# KiCad board Soldered Inkplate 6 FLICK_panel.kicad_pcb (continued)
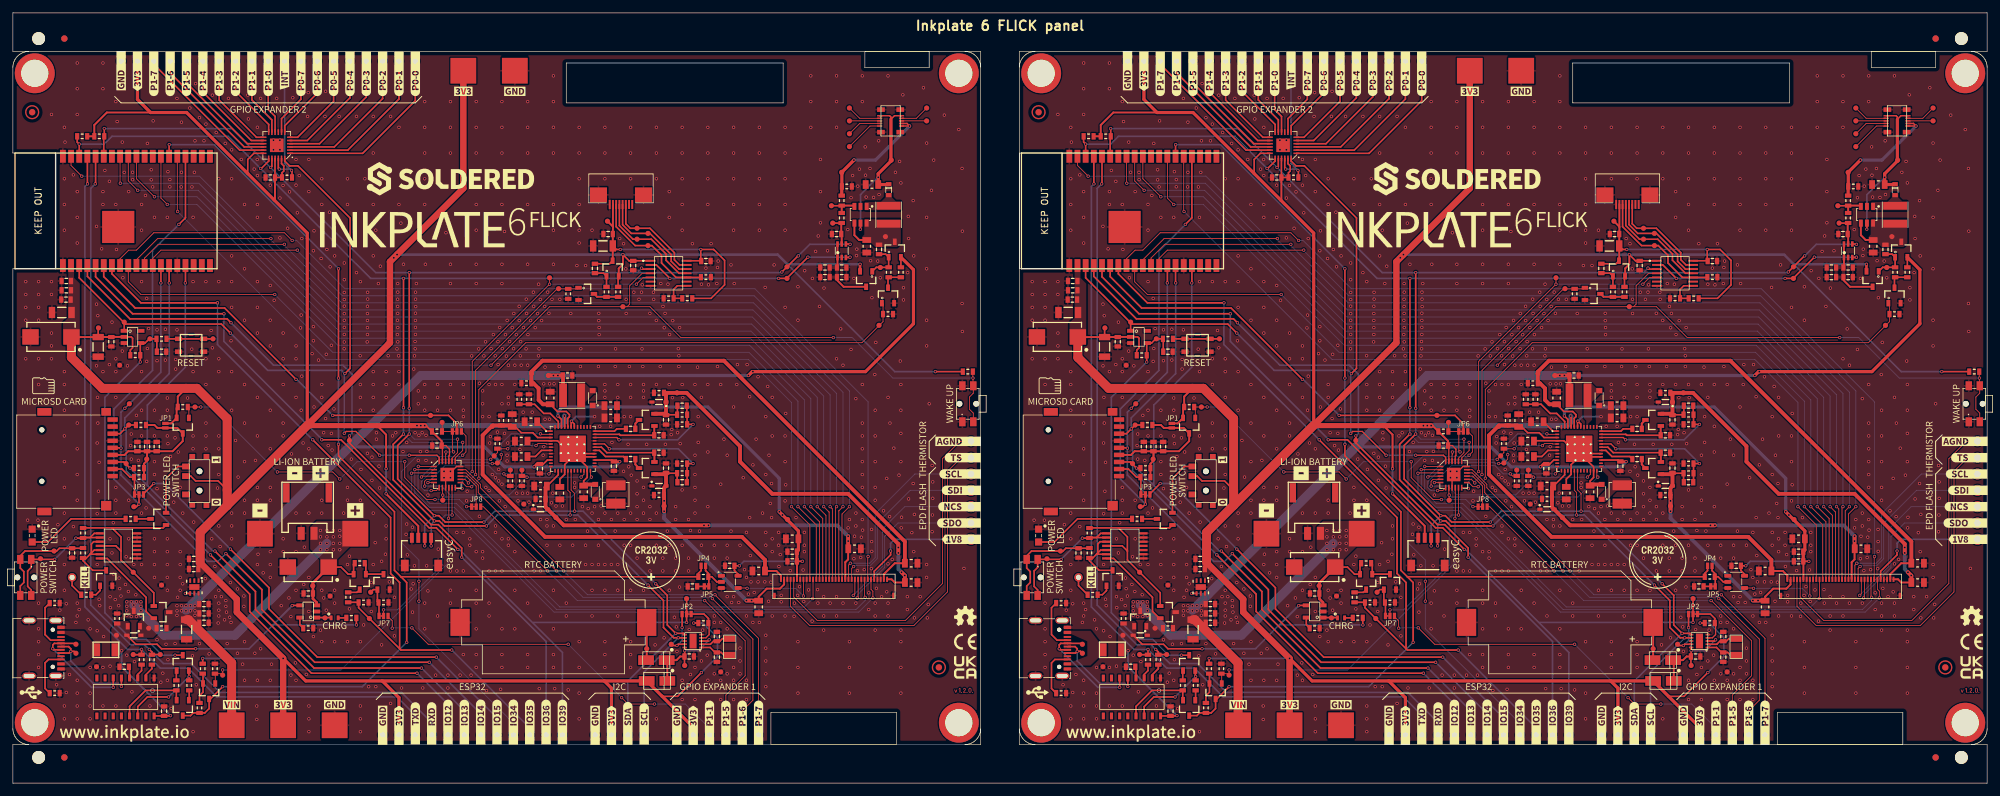
[diagram p0: board, top side]
## Routing (per net, layer and track width the routed paths; a pad name or vN(x,y) marks a point on that pad's centre or on a via; arc(x,y) is an arc through that point) (continued)
  Top w1: 45.75,55.65 58.6,68.5 58.6,81.1 v1(59.7,82.2) 70,92.5 PAD2.1 ; PAD3#2.1 v1(42,19.4) 34.8,26.6 34.8,28.6 29.1,34.3
  Top w1.4: 29.1,34.3 29.1,39 33.3,43.2 ; C70.1 9.1,66.21 13.9,61.4 28.6,61.4 33.3,56.7 33.3,43.2 ; 33.3,43.2 45.75,55.65
  Bottom w0.254: v1(42,19.4) v1(29.5,19.4) ; v1(143.35,64) 137.05,64 120.35,80.7 ; v1(107,17.2) 109.5,19.7 109.5,22.6 107.2,24.9 v1(105.8,24.9)
  Bottom w0.3: v1(58,45) v1(58,48.9)
  Bottom w0.4: v1(131.65,80.7) 120.35,80.7 118.85,82.2 v1(94.8,82.2) v1(59.7,82.2) v1(59.2,81.7)
  Bottom w0.8: v1(85.7,57.1) 85.7,56.1 85.2,55.6 v1(62.8,55.6)
  vias: v1(63.4,55.6)
Board_0-3V3-EINK: length 73.2
  Top w0.254: v1(84.71,57.11) 85.25,56.57 U1#2.46 ; U12#2.5 112.7,32.5 112.13,33.07 C64.2 v1(112.9,33.8) ; v1(122.7,34.5) C63.1
  Top w0.3: C63.1 121.85,34.48 K15.6
  Top w0.5: v1(119.1,42.2) 122.08,39.23 C55.2 122.08,36.25 C62.1 C63.1
  Bottom w0.254: 85.3,58.4 85.4,58.5 ; v1(112.9,33.8) 113.6,34.5 v1(122.7,34.5)
  Bottom w0.5: 85.4,58.5 108,58.5 119.1,47.4 v1(119.1,42.2) v1(119.6,41.7) ; 85.3,58.4 84.71,57.81 v1(84.71,57.11)
Board_0-3V3_MICROSD: length 23.5
  Top w0.3: C40#2.2 C38.2 24.82,51.62 26.4,53.2 Q10.3 25.55,55.25 JP1#2.1 22.45,55.25 22,55.7 R45#2.2 ; C40#2.2 C39.2 17.92,51.62 17.35,51.05 K9.4 ; C40#2.2 20.85,50.15 20.38,49.68 R43#2.2 R42#2.2
Board_0-3V3_RTC: length 14.9
  Top w0.254: v1(108.21,22.29) 108.02,22.1 U7.3 ; U7.10 104.4,19.73 C41#2.2 104.37,18.33 TP71#2.TP
  Top w0.3: D11#2.2 101.7,19.03 D12#2.2 103.13,19.13 103.7,19.7 C41#2.2
  Bottom w0.254: v1(104.4,20.6) 106.52,20.6 v1(108.21,22.29)
Board_0-3V3_TOUCH: length 45.2
  Top w0.127: 93.25,86.55 93.25,86.45
  Top w0.254: U8#2.14 106.92,81.25 C45#2.1 106.9,81.27 v1(106.9,83) 108.9,83 110.6,81.3 110.6,77.5 108.5,75.4 R49.2 ; 93.23,83.56 C44#2.1 93.78,83 v1(94.4,83) ; 93.25,85.42 C53#2.2 ; Q12.3 93.23,81.28 92.73,80.78 C43#2.2
  Top w0.3: C53#2.2 93.23,83.56 ; TP32#2.TP 93.25,86.55 ; C44#2.1 93.23,81.28 ; K12#2.7 93.25,85.42
  Bottom w0.254: v1(94.4,83) v1(106.9,83)
Board_0-/CTRL & COMS/CH_RXD: length 2.3
  Top w0.254: R22.1 20,17.5 19.41,16.91 U2#2.3
Board_0-/CTRL & COMS/CH_TXD: length 2.5
  Top w0.254: R23#2.1 21.6,17.8 20.68,16.88 U2#2.2
Board_0-/CTRL & COMS/DTR: length 11.3
  Top w0.254: Q5#2.2 25.4,12.95 R30#2.2 20.63,14.43 18.14,11.94 U2#2.13
Board_0-/CTRL & COMS/RTS: length 12.9
  Top w0.254: v1(24.2,13.4) 20.9,13.4 19.41,11.91 U2#2.14 ; R31#2.2 v1(27.4,16.6) 27.35,16.65 Q4.2
  Bottom w0.254: v1(24.2,13.4) v1(27.4,16.6)
Board_0-/MCU & GPIO Expanders/GPB_6: length 72.4
  Top w0.127: v1(84.5,33) 72.33,45.17 72.33,46.34 70.41,48.25 U13#2.16 ; v1(108.7,28.7) 115,22.4 115,12.9 113.34,11.24 K21.1
  Bottom w0.127: v1(84.5,33) 88.6,28.9 108.5,28.9 v1(108.7,28.7)
Board_0-/MCU & GPIO Expanders/GPB_7: length 72.5
  Top w0.127: v1(109.1,29.3) 115.88,22.52 K22#2.1 ; U13#2.17 70.37,48.75 72.65,46.47 72.65,45.95 v1(85.6,33)
  Bottom w0.127: v1(85.6,33) 89.3,29.3 v1(109.1,29.3)
Board_0-/POWER/INT_LDO: length 4
  Top w0.254: U1#2.7 82.15,51.75 81.2,50.8 C4.2
Board_0-/POWER/TS: length 8
  Top w0.254: R1#2.2 R2.2 81.08,58.93 82.5,57.5 83.5,57.5 84.75,56.25 U1#2.47
Board_0-/POWER/VB: length 5.9
  Top w0.254: U1#2.42 87.25,55.85 v1(86.8,56.3) 86.75,56.25 U1#2.43
  Bottom w0.3: v1(90.4,57) 87.5,57 v1(86.8,56.3)
Board_0-/POWER/VN: length 21.8
  Top w0.254: C3#2.2 80.03,53.25 U1#2.4 84.64,53.25 U1#2.49 ; U1#2.28 88.25,50.75 U1#2.49 ; U1#2.49 88.22,50.2 89.25,49.17 U1#2.23 89.25,47.55 88.7,47 C9.1 ; C7#2.2 85,47.28 85.75,48.03 U1#2.16 85.75,49.54 U1#2.49 ; U1#2.49 88.87,51.25 U1#2.29
  Top w0.6: D1#2.2 88.88,46.45 C9.1
Board_0-/POWER/VREF: length 2.7
  Top w0.254: C1#2.2 82.93,54.75 U1#2.1
Board_0-/SD_RTC_GPIO/X1: length 4.9
  Top w0.254: X1.1 110.48,19.93 110.07,20.33 C36.2 109.12,20.33 108.35,21.1 U7.1
Board_0-/SD_RTC_GPIO/X2: length 4.8
  Top w0.254: U7.2 108.4,21.6 108.87,22.07 C37.2 109.87,22.07 110.28,22.48 X1.2
Board_0-AGND: length 54.7
  Top w0.127: K13.1 147.16,53.16 144.45,50.45 144.45,31.05 138.7,25.3 125,25.3 121.35,28.95 K15.5
Board_0-BCK_ANODE: length 26.9
  Top w0.23: K11#2.9 137,103.8 136.45,103.25 136.45,103.6 136.25,103.8 K11#2.10
  Top w0.254: U10#2.5 131.73,86.18 v1(131.7,86.15)
  Top w0.4: 136.05,93.1 D13.2
  Top w0.5: 136.45,103.25 136.45,96.75 134.48,94.78 v1(134.48,94.23) C51#2.2 136.05,93.1
  Bottom w0.254: v1(134.48,94.23) 134.45,94.25 131.73,91.53 131.73,86.18 v1(131.7,86.15)
Board_0-BCK_CATHODE: length 19.8
  Top w0.23: K11#2.1 v1(139.35,102.2) 138.95,102.6 K11#2.3
  Top w0.5: v1(130.7,96.9) 128.83,95.03 R54#2.2 ; R55.1 128.8,92.78
  Bottom w0.5: v1(139.35,102.2) 134.05,96.9 v1(130.7,96.9)
Board_0-BCK_MOS: length 6.1
  Top w0.254: Q13.1 134.18,80.23 R53.2 Q15#2.1 135.63,82.27 C52#2.1
Board_0-CHRG-LED: length 2.3
  Top w0.254: D10.2 49.4,25.75 U6#2.1
Board_0-CLKOUT_RTC: length 7.5
  Top w0.254: TP74#2.TP 102.5,21.4 v1(103.2,21.4) 103.4,21.6 U7.9 ; v1(104,24.2) JP3.3
  Bottom w0.254: v1(103.2,21.4) 104,22.2 v1(104,24.2)
Board_0-D+: length 16.9
  Top w0.254: v1(9,20.5) 9,20.9 8.66,21.24 K1#2.A6 ; v1(9,20.5) 8.74,20.24 K1#2.B6 ; v1(9,20.5) 9.5,20.5 TP18.TP ; U2#2.5 v1(16.87,15.04)
  Bottom w0.254: v1(16.87,15.04) 16.4,15.5 12.5,15.5 9,19 v1(9,20.5)
Board_0-D-: length 19
  Top w0.254: K1#2.A7 6.36,20.74 v1(6.2,20.9) 6.2,21.5 6.44,21.74 K1#2.B7 9.66,21.74 TP17#2.TP ; U2#2.6 15.6,14.91 v1(15.6,14.9)
  Bottom w0.254: v1(6.2,20.9) 12.2,14.9 v1(15.6,14.9)
Board_0-DAC_OUT: length 4.5
  Top w0.127: 128.78,87.1 R56#2.2
  Top w0.254: TP42#2.TP 128.78,87.1
  Top w0.3: U9#2.5 128.8,85.33 ; C49#2.2 128.73,87.06
Board_0-EPD_CKV: length 157.5
  Top w0.127: v1(132.9,35.25) 132.85,35.2 K15.28 ; U14#2.8 16.66,81.56 18,82.9 19.2,82.9 21.9,85.6 42.2,85.6 v1(43.4,84.4)
  Bottom w0.127: v1(43.4,84.4) 44.1,84.4 51.6,76.9 115.3,76.9 132.9,59.3 v1(132.9,35.25)
Board_0-EPD_CL: length 13.3
  Top w0.127: v1(122.85,29.1) K15.8 ; v1(114.1,30.3) 114.05,30.35 U12#2.4
  Bottom w0.127: v1(114.1,30.3) 121.65,30.3 v1(122.85,29.1)
Board_0-EPD_D0: length 148.4
  Top w0.127: U14#2.26 23.01,90.99 v1(24,90) ; v1(123,43) 125.35,40.65 K15.13
  Bottom w0.127: v1(123,43) 123,59.6 114.5,68.1 50.5,68.1 28.6,90 v1(24,90)
Board_0-EPD_D1: length 151.3
  Top w0.127: v1(124,43) 125.85,41.15 K15.14 ; U14#2.29 19.2,94 v1(22,91.2)
  Bottom w0.127: v1(124,43) 124,59.8 114.6,69.2 50.6,69.2 28.6,91.2 v1(22,91.2)
Board_0-EPD_D2: length 153.7
  Top w0.127: U14#2.30 17.93,93.67 v1(19.4,92.2) ; v1(125,43) 126.35,41.65 K15.15
  Bottom w0.127: v1(19.4,92.2) 28.8,92.2 50.7,70.3 114.7,70.3 125,60 v1(125,43)
Board_0-EPD_D3: length 156.1
  Top w0.127: v1(126,43) 126.85,42.15 K15.16 ; v1(16.7,93.3) 16.66,93.34 U14#2.31
  Bottom w0.127: v1(126,43) 126,60.2 114.8,71.4 50.8,71.4 28.9,93.3 v1(16.7,93.3)
Board_0-EPD_D4: length 163
  Top w0.127: v1(127,43) 127.35,42.65 K15.17 ; U14#2.37 9.04,96.06 v1(10.7,94.4)
  Bottom w0.127: v1(127,43) 127,60.4 114.9,72.5 50.9,72.5 29,94.4 v1(10.7,94.4)
Board_0-EPD_D5: length 150.1
  Top w0.127: U14#2.10 19.2,81.4 22.5,84.7 v1(40.1,84.7) ; K15.18 127.85,42.85 v1(128,43)
  Bottom w0.127: v1(40.1,84.7) 40.1,84.5 51,73.6 115,73.6 128,60.6 v1(128,43)
Board_0-EPD_D6: length 149.6
  Top w0.127: v1(42.2,83.8) 22.6,83.8 20.47,81.67 U14#2.11 ; v1(129,43) 128.35,42.35 K15.19
  Bottom w0.127: v1(42.2,83.8) 42.2,83.6 51.1,74.7 115.1,74.7 129,60.8 v1(129,43)
Board_0-EPD_D7: length 148.8
  Top w0.127: K15.20 128.85,41.85 v1(130,43) ; v1(44.2,82.9) 23.01,82.9 21.74,81.63 U14#2.12
  Bottom w0.127: v1(44.2,82.9) 44.2,82.8 51.2,75.8 115.2,75.8 130,61 v1(130,43)
Board_0-EPD_GMODE: length 88
  Top w0.127: v1(62.46,48.76) 62.48,48.75 U13#2.2 ; v1(132.45,28.9) 132.35,29 K15.27
  Bottom w0.127: v1(132.45,28.9) 132.45,28.43 131.03,27 84.5,27 68.6,42.9 64.7,42.9 62.46,45.14 v1(62.46,48.76)
Board_0-EPD_LE: length 145
  Top w0.127: K15.10 123.85,40.15 v1(121,43) ; v1(25.6,88.9) 25.55,88.95 U14#2.24
  Bottom w0.127: v1(25.6,88.9) 48.6,65.9 114.3,65.9 121,59.2 v1(121,43)
Board_0-EPD_OE: length 78.7
  Top w0.127: v1(63,49.26) 63.01,49.25 U13#2.1 ; v1(124.3,28.7) 124.35,28.75 K15.11
  Bottom w0.127: v1(124.3,28.7) 123,27.4 85,27.4 68.9,43.5 64.8,43.5 62.98,45.33 62.98,49.24 v1(63,49.26)
Board_0-EPD_SPH: length 143.2
  Top w0.127: v1(122,43) 124.85,40.15 K15.12 ; U14#2.9 17.93,77.97 19.9,76 v1(40.7,76)
  Bottom w0.127: v1(122,43) 122,59.4 114.4,67 49.7,67 v1(40.7,76)
Board_0-EPD_SPV: length 90
  Top w0.127: U13#2.3 62,48.25 v1(61.95,48.2) ; v1(133.65,28.8) 133.65,29.85 133.35,30.15 K15.29
  Bottom w0.127: v1(133.65,28.8) 131.45,26.6 84.1,26.6 68.3,42.4 64.6,42.4 61.95,45.05 v1(61.95,48.2)
Board_0-EXP2_INT: length 22.3
  Top w0.254: v1(41.4,95.5) 41.25,95.65 U15.22 ; v1(43.3,95.3) 43.38,95.23 R60.2
  Bottom w0.254: v1(41.4,95.5) 43.1,95.5 v1(43.3,95.3) 42.22,96.38 K40#2.1
Board_0-FRONTLIGHT_FB: length 4.6
  Top w0.127: 128.78,89.8 R55.2
  Top w0.254: TP48.TP 128.78,89.8
  Top w0.3: R56#2.1 R55.2 130.65,89.83
Board_0-GND: length 3.5
  Top w0.2: U13#2.9 67.25,47.25 v1(67,47.5) ; v1(68,48.5) 68.2,48.5 68.95,49.25 U13#2.18
  vias: v1(2,78) v1(2,76) v1(2,74) v1(2,72) v1(2,66) v1(2.3,40.9) v1(3.9,40.9) v1(4,78) v1(4,76) v1(4,74) v1(4,72) v1(4,66) v1(4,62) v1(4,28) v1(4,24) v1(4,22) v1(4,20) v1(4,18) v1(6,104) v1(6,78) v1(6,76) v1(6,70) v1(6,68) v1(6,66) v1(6.8,15.3) v1(7,40.2) v1(7.3,26.9) v1(8,102) v1(8,94) v1(8,90) v1(8,86) v1(8,64) v1(8,62) v1(8,58) v1(8,54) v1(8,50) v1(8,46) v1(8,42) v1(8,38) v1(8,34) v1(8,30) v1(8,12) v1(8,10) v1(8.1,99.7) v1(8.3,27.9) v1(8.3,14.1) v1(8.8,16.9) v1(9.4,94.6) v1(9.4,39.9) v1(9.8,25) v1(10,112) v1(10,108) v1(10,104) v1(10,92) v1(10,88) v1(10,84) v1(10,56) v1(10,52) v1(10,48) v1(10,44) v1(10,28) v1(10,26) v1(10,16) v1(10,14) v1(10,12) v1(10,10) v1(10.3,27) v1(11.7,25.4) v1(12,24) v1(12,18) v1(12,14) v1(12,12) v1(12,10) v1(13,86.6) v1(13,74.5) v1(13,64.9) v1(13.15,60) v1(13.1,52.9) v1(13.1,41.9) v1(13.1,34) v1(13.1,23.7) v1(13.2,72.7) v1(13.2,56) v1(13.3,45.4) v1(13.4,49.9) v1(13.4,28.6) v1(13.5,27.6) v1(13.8,83.1) v1(14,112) v1(14,108) v1(14,92) v1(14,90) v1(14,64) v1(14,18) v1(14,12) v1(14.1,22.8) v1(14.3,95.3) v1(15,93.6) v1(15,65.1) v1(15.1,38) v1(15.1,29) v1(15.15,27.3) v1(15.1,18.2) v1(15.4,71.7) v1(15.4,35.8) v1(15.6,40.5) v1(15.65,32.5) v1(15.9,28.55) v1(16,106) v1(16,90) v1(16,66) v1(16,64) v1(16,60) v1(16,46) v1(16,44) v1(16,42) v1(16,12) v1(16.1,83) v1(16.2,102.9) v1(16.45,27.6) v1(16.5,31.9) v1(16.6,30.25) v1(16.8,29.1) v1(17,99.7) v1(17,67.2) v1(17.1,78.6) v1(17.3,95) v1(17.5,30.9) v1(17.6,35.2) v1(17.7,19.9) v1(17.8,64.9) v1(17.95,29.8) v1(18,92) v1(18,44) v1(18,38) v1(18.3,52.5) v1(18.4,54.3) v1(18.4,50.4) v1(18.5,14.2) v1(18.6,95) v1(18.61,93.86) v1(18.8,34) v1(18.9,18.9) v1(19.1,29.3) v1(19.2,57.2) v1(19.5,50.2) v1(20,90) v1(20,86) v1(20,78) v1(20,64) v1(20,58) v1(20,54) v1(20,42) v1(20,34) v1(20.6,91.4) v1(20.7,42.8) v1(20.8,75.4) v1(20.8,65.6) v1(20.9,99.5) v1(20.9,67.6) v1(21.1,70.7) v1(21.3,12) v1(21.5,95.4) v1(21.5,93.83) v1(21.73,92.73) v1(21.8,103) v1(22,88) v1(22,58) v1(22,54) v1(22,50) v1(22,48) v1(22,38) v1(22,36) v1(22,34) v1(22,32) v1(22.4,70.5) v1(22.4,65.7) v1(22.4,45.8) v1(22.4,22.3) v1(23,15.7) v1(23.3,17.1) v1(23.7,70.6) v1(23.7,65.8) v1(23.8,21.6) v1(24,88) v1(24,59.9) v1(24,58) v1(24,54) v1(24,38) v1(24,36) v1(24,34) v1(24,32) v1(24,30) v1(24,16) v1(24.1,95.1) v1(24.1,52.8) v1(24.1,19.2) v1(24.4,93.87) v1(24.39,92.74) v1(24.5,50.8) v1(24.6,11.6) v1(25,43.7) v1(25.2,53.7) v1(25.2,21.7) v1(25.3,65.9) v1(25.3,64.4) v1(25.5,106.5) v1(25.5,70.5) v1(25.6,28.9) v1(25.7,51.5) v1(26,46) v1(26,36) v1(26,34) v1(26,32) v1(26,30) v1(26.2,102.8) v1(26.2,95) v1(26.16,92.73) v1(26.4,42) v1(26.4,31) v1(27.15,59.9) v1(27.5,105) v1(27.83,92.72) v1(27.8,67.5) v1(27.9,19.8) v1(28,88) v1(28,78) v1(28,64) v1(28,54) v1(28,52) v1(28,8) v1(28.1,40.6) v1(28.2,95) v1(28.3,99.9) v1(28.4,108.8) v1(28.5,15.3) v1(29,103.5) v1(29,21.7) v1(29.7,99.9) v1(29.9,31.8) v1(30,102.5) v1(30,78) v1(30,66) v1(30,62) v1(30,56) v1(30,54) v1(30,52) v1(30.5,20.1) v1(30.8,70.4) v1(30.9,38) v1(31,107) v1(31,67.7) v1(31.4,33.7) v1(31.5,29) v1(31.6,101.2) v1(31.8,45.9) v1(31.9,24.9) v1(32,94) v1(32,78) v1(32,66) v1(32,64) v1(32,60) v1(32,54) v1(32,52) v1(32,48) v1(32,40) v1(32,30) v1(32,28) v1(32,26.9) v1(32,26) v1(32.2,36.8) v1(32.4,29) v1(32.9,25.4) v1(33,99.5) v1(33.1,28.4) v1(33.1,27.5) v1(33.2,26.6) v1(33.3,21.7) v1(33.5,106.5) v1(33.7,25.8) v1(33.8,31.2) v1(33.9,68.8) v1(33.9,25) v1(34,98.5) v1(34,94) v1(34,82) v1(34,78) v1(34,74) v1(34,64) v1(34,58) v1(34,42) v1(34,40) v1(34,38) v1(34.6,53.3) v1(34.9,30.2) v1(34.9,20.2) v1(35,47.6) v1(35.5,97) v1(35.7,18.5) v1(35.9,29.1) v1(35.9,27.5) v1(36,90) v1(36,80) v1(36,72) v1(36,62) v1(36,56) v1(36,50) v1(36,44) v1(36,42) v1(36,22) v1(36,16) v1(36.5,107) v1(36.6,103.3) v1(37.5,95.5) v1(37.6,20.2) v1(37.7,50.2) v1(37.9,12) v1(37.9,9.9) v1(38,102) v1(37.97,96.99) v1(38,94.5) v1(38,90) v1(38,88) v1(38,78) v1(38,74) v1(38,70) v1(38,60) v1(38,54) v1(38,46) v1(38,44) v1(38,34) v1(38,16) v1(38.1,35.6) v1(38.5,106.5) v1(38.5,20.9) v1(38.9,32.7) v1(40,93) v1(40,88) v1(40,77.4) v1(40,72) v1(40,68) v1(40,58) v1(40,52) v1(40,46) v1(40,44) v1(40,36) v1(40,34) v1(40,32) v1(40,16) v1(40.2,18.5) v1(40.5,100) v1(40.5,98.5) v1(40.6,75.1) v1(41,106.5) v1(41.5,100) v1(41.5,98.5) v1(41.5,91) v1(41.5,84.8) v1(41.7,27.6) v1(41.98,92.97) v1(42,70) v1(42,66) v1(42,62) v1(42,56) v1(42,54) v1(42,38) v1(42,36) v1(42.7,86.3) v1(42.9,28.8) v1(43,91.96) v1(43.2,25.9) v1(43.2,16.8) v1(43.3,51.2) v1(43.5,106.6) v1(43.9,18.7) v1(44,97) v1(44,93) v1(44,68) v1(44,66) v1(44,60) v1(44,42) v1(44,36) v1(44,30) v1(44,16) v1(44.2,88.7) v1(44.5,94.5) v1(44.7,70.8) v1(44.8,72.8) v1(44.8,58) v1(44.9,84.7) v1(44.9,63.3) v1(45.1,52.9) v1(45.2,30.9) v1(45.3,36.7) v1(45.6,16.9) v1(45.8,103.7) v1(45.9,107.4) v1(46,97) v1(46,92) v1(46,52) v1(46,42) v1(46,32) v1(46,26.7) v1(46,12) v1(46,10) v1(46,8) v1(46.5,66.8) v1(46.7,82.8) v1(46.7,71) v1(46.7,68.8) v1(46.7,22.8) v1(46.8,85.9) v1(46.8,58.5) v1(47.5,65.8) v1(47.8,23.8) v1(47.9,81.6) v1(48,94) v1(48,90) v1(48,62) v1(48,60) v1(48,44) v1(48,42) v1(48,30) v1(48,22) v1(48.3,54.5) v1(48.3,28.8) v1(48.5,103.7) v1(48.6,107.6) v1(48.6,56.7) v1(48.7,66.7) v1(48.7,26.9) v1(48.8,83) v1(49,52.5) v1(49.2,88.8) v1(49.3,80.3) v1(49.5,68.1) v1(49.5,54.4) v1(49.6,51.8) v1(49.9,58.2) v1(50,82) v1(50,30) v1(50,28) v1(50,22) v1(50.7,103.7) v1(51.4,42) v1(51.5,80.9) v1(51.5,78.3) v1(51.5,76.31) v1(51.5,75.21) v1(51.5,74.19) v1(51.5,73.01) v1(51.5,71.99) v1(51.5,70.89) v1(51.5,69.79) v1(51.5,68.61) v1(51.48,67.55) v1(52,94) v1(52,90) v1(52,46) v1(52,44) v1(52,34) v1(52,22) v1(52.3,35.3) v1(52.3,27.1) v1(52.6,50.4) v1(53.4,103.7) v1(53.4,79.4) v1(54,78) v1(53.97,66.48) v1(54,62) v1(54,60) v1(54,58) v1(54,44) v1(54,22) v1(54,12) v1(54,10) v1(54,8) v1(54.1,48.8) v1(54.5,24.6) v1(54.7,94) v1(55.13,76.34) v1(55.14,75.28) v1(55.1,74.17) v1(55.1,73.04) v1(55.1,71.96) v1(55.1,70.85) v1(55.1,69.78) v1(55.06,68.63) v1(55.1,51.3) v1(55.3,15) v1(55.7,31.2) v1(55.7,26.7) v1(55.8,50.7) v1(55.8,47.1) v1(56,103.7) v1(56,98) v1(56,90) v1(56,82) v1(56,64) v1(56,62) v1(56,60) v1(56,58) v1(56,42) v1(56,34) v1(56.3,37.4) v1(56.4,86) v1(56.4,15) v1(56.5,54.5) v1(56.5,53.5) v1(56.8,77.7) v1(56.9,49.3) v1(57,45.9) v1(57.1,80.4) v1(57.3,34.5) v1(57.3,21.5) v1(57.9,35.6) v1(58,64) v1(58,62) v1(58,60) v1(58,40) v1(58,38) v1(58.32,66.48) v1(58.5,31.3) v1(58.7,103.7) v1(58.7,12.4) v1(59,54) v1(59.3,28.9) v1(59.3,22.9) v1(59.5,54.5) v1(59.69,67.54) v1(59.8,77.7) v1(59.82,76.37) v1(59.79,75.26) v1(59.79,74.15) v1(59.8,73.06) v1(59.77,71.98) v1(59.82,70.85) v1(59.75,69.77) v1(59.82,68.63) v1(59.95,66.46) v1(60,102) v1(60,90) v1(60,64) v1(60,62) v1(60.3,87.1) v1(60.4,14.8) v1(60.63,51.57) v1(60.7,80.7) v1(61.1,38.7) v1(61.2,53) v1(61.2,40.3) v1(61.3,35.5) v1(61.9,30.2) v1(62.1,39.8) v1(62.1,26.6) v1(62.2,31) v1(62.3,64.4) v1(62.42,66.45) v1(62.4,33.8) v1(62.5,68.69) v1(62.52,67.55) v1(62.5,54.5) v1(62.57,76.36) v1(62.59,75.27) v1(62.6,74.11) v1(62.56,73.09) v1(62.56,71.96) v1(62.56,70.89) v1(62.56,69.78) v1(62.7,77.7) v1(63,61) v1(63,59) v1(63,50.2) v1(63.1,54.1) v1(63.33,51.57) v1(63.6,54.5) v1(63.7,14.8) v1(64,106) v1(64,102) v1(64,98) v1(64,94) v1(64,90) v1(64,62) v1(64,60) v1(64,58) v1(64,28) v1(64,24) v1(64.1,80.7) v1(64.2,54.1) v1(64.2,50.2) v1(64.35,51.59) v1(64.3,33.8) v1(64.5,44.8) v1(64.5,29.9) v1(65.7,16.8) v1(66,62) v1(66,60) v1(66,58) v1(66,26) v1(66.1,36.4) v1(67,48.5) v1(67.3,85.6) v1(67.6,16.8) v1(67.6,14.8) v1(68,106) v1(68,102) v1(68,98) v1(68,80.7) v1(68,77.7) v1(68,62) v1(68,60) v1(68,58) v1(68,47.5) v1(68,33) v1(68,30) v1(68,28) v1(69,39) v1(69,33) v1(69.5,16.8) v1(70,62) v1(70,60) v1(70,58) v1(70,57) v1(70,39) v1(70,33) v1(70,20) v1(70.5,43.9) v1(70.6,45.4) v1(71,38) v1(71,37) v1(71.2,16.8) v1(71.3,66.44) v1(72,106) v1(72,102) v1(72,98) v1(72,90) v1(72,86) v1(72,80.7) v1(72,77.7) v1(72,36) v1(72,30) v1(72,28) v1(72,24) v1(72,20) v1(72,18) v1(72.39,67.53) v1(72.5,62.2) v1(72.5,41.5) v1(73,61) v1(73,59) v1(73,57) v1(73,36) v1(73,35) v1(73.2,66.45) v1(73.45,68.63) v1(73.5,46) v1(73.6,14.4) v1(74,62) v1(74,57) v1(74,45.5) v1(74,33) v1(74,28) v1(74,26) v1(74.1,52.9) v1(74.2,53.9) v1(74.31,67.59) v1(74.5,48) v1(74.67,69.76) v1(74.95,66.46) v1(75,62) v1(75,47.5) v1(75,40) v1(75,39) v1(75,33) v1(75.3,54.6) v1(75.39,68.66) v1(75.4,65.1) v1(75.5,48.8) v1(75.5,47) v1(75.6,43.9) v1(75.66,70.87) v1(75.8,14.6) v1(76,106) v1(76,102) v1(76,98) v1(76,90) v1(76,80.7) v1(76,77.7) v1(76,62) v1(76,59) v1(76,46.5) v1(76,38) v1(76,33) v1(76,24) v1(76,20) v1(76,18) v1(76.06,67.59) v1(76.4,85.8) v1(76.4,54.4) v1(76.5,43) v1(76.55,69.75) v1(76.69,66.42) v1(76.81,71.97) v1(76.8,51) v1(76.8,50.1) v1(76.9,52.9) v1(77,65) v1(77,60) v1(77,59) v1(77,38) v1(77,37) v1(77.2,68.67) v1(77.6,70.84) v1(77.82,67.57) v1(77.85,73.05) v1(78,65) v1(78,62) v1(78,36) v1(78,30) v1(78,24) v1(78.23,69.74) v1(78.3,45.1) v1(78.5,43.9) v1(78.68,74.16) v1(78.69,71.95) v1(78.8,51.9) v1(78.91,68.68) v1(78.86,66.45) v1(79,65) v1(79.2,45.1) v1(79.34,70.87) v1(79.3,57.7) v1(79.78,75.27) v1(79.84,73.06) v1(79.75,67.55) v1(80,106) v1(80,102) v1(80,98) v1(80,90) v1(80,80.7) v1(80.05,69.76) v1(80,65) v1(80,45.1) v1(80,28) v1(80,20) v1(80,18) v1(80.2,43.7) v1(80.46,71.96) v1(80.7,57.7) v1(80.88,76.36) v1(80.94,74.16) v1(81,33) v1(81.17,70.85) v1(81.53,73.03) v1(81.7,77.6) v1(81.68,66.46) v1(81.77,67.55) v1(81.8,14.7) v1(81.97,75.23) v1(82,41) v1(82,33) v1(82,26) v1(82.17,71.95) v1(82.4,51) v1(82.5,62.1) v1(82.5,52.33) v1(82.65,74.14) v1(82.7,64.7) v1(82.7,56.6) v1(83,41) v1(83,40) v1(83,37) v1(83.12,76.37) v1(83.3,73.08) v1(83.4,62.1) v1(83.4,56.6) v1(83.7,43.6) v1(83.78,75.26) v1(83.9,45.1) v1(84,110) v1(84,106) v1(84,102) v1(84,98) v1(84,90) v1(84,86) v1(84,80.7) v1(84,40) v1(84,30) v1(84,24) v1(84,20) v1(84,18) v1(84.1,62.1) v1(84.2,14.7) v1(84.4,43.1) v1(84.9,64.8) v1(85,75.25) v1(85,37) v1(85.4,43.1) v1(86,41) v1(86,28) v1(86,26) v1(86.3,14.5) v1(86.7,73.05) v1(87,37) v1(87,33) v1(87.3,46.7) v1(87.3,46) v1(87.4,41) v1(87.65,80.5) v1(88,102) v1(88,98) v1(88,94) v1(88,90) v1(88,86) v1(88,84) v1(88,22) v1(88,18) v1(88,14) v1(88,10) v1(88.2,64.8) v1(88.26,67.56) v1(88.5,43) v1(89,80.5) v1(89,37) v1(89,34) v1(89.3,39.2) v1(89.4,42.7) v1(90,86) v1(90,42) v1(90,34) v1(90,30) v1(90,26) v1(90.4,43) v1(91,64.8) v1(91,41) v1(91,37) v1(91,34) v1(91.05,73.07) v1(91.05,71.93) v1(91.1,70.86) v1(91.1,69.76) v1(91.2,55.5) v1(91.4,43.1) v1(92,102) v1(92,98) v1(92,94) v1(92,62) v1(92,61) v1(92,60) v1(92,42) v1(92,34) v1(92,30) v1(92,22) v1(92,20) v1(92,18) v1(92.9,55.5) v1(93,41) v1(93,34) v1(93.1,53) v1(93.6,64.8) v1(93.6,39.2) v1(93.66,67.54) v1(94,62) v1(94,60) v1(94,42) v1(94,34) v1(94,30) v1(94,26) v1(94.3,84.7) v1(94.9,83.9) v1(94.9,48.5) v1(95,57) v1(95,41) v1(95,37) v1(95.25,79.98) v1(95.3,75.25) v1(95.3,73.05) v1(95.6,52.7) v1(95.7,49.2) v1(95.8,64.8) v1(96,102) v1(96,98) v1(96,94) v1(96,62) v1(96,60) v1(96,57) v1(96,42) v1(96,37) v1(96,30) v1(96,22) v1(96,20) v1(96,18) v1(96.1,47.9) v1(96.5,76.35) v1(97,47) v1(97,45) v1(97,43) v1(97,41) v1(97,35) v1(97.3,75.25) v1(97.69,76.36) v1(97.8,77.5) v1(97.77,67.54) v1(97.9,64.8) v1(98,62) v1(98,61) v1(98,60) v1(98,46) v1(98,44) v1(98,42) v1(98,30) v1(98.5,52.7) v1(98.99,73.07) v1(99,43) v1(99,41) v1(99,33) v1(99.54,76.35) v1(99.59,75.25) v1(99.8,21.5) v1(100,102) v1(100,98) v1(100,94) v1(99.99,71.97) v1(100,62) v1(100,42) v1(100,37) v1(100,10) v1(100.6,64.8) v1(100.7,77.7) v1(101.03,74.15) v1(101,35) v1(101,33) v1(101.22,70.83) v1(101.2,22.6) v1(101.35,73.06) v1(101.4,52.7) v1(101.7,39.2) v1(101.8,77.6) v1(102,92) v1(102,88) v1(102,62) v1(102,37) v1(102,30) v1(102.06,69.77) v1(102.3,54.2) v1(102.4,55) v1(102.55,71.93) v1(102.5,59.95) v1(102.8,25.8) v1(103,43) v1(103,41) v1(103,35) v1(103,33) v1(103.1,24.3) v1(103.2,20.5) v1(103.3,54.5) v1(103.41,67.57) v1(103.5,66.47) v1(103.5,64.8) v1(103.62,70.85) v1(103.6,30.5) v1(103.7,52.8) v1(104,102) v1(104,98) v1(104,94) v1(104,90) v1(104,86) v1(104,62) v1(104,45.6) v1(104,37) v1(104,16) v1(104,13) v1(104.1,59.95) v1(105,41) v1(105,35) v1(105,33) v1(105.1,23.9) v1(105.3,39.3) v1(105.3,16.9) v1(105.6,83.9) v1(106,62) v1(106,51) v1(106,48) v1(106,46) v1(106,44) v1(106,42) v1(106,18) v1(106,13) v1(106.4,64.7) v1(106.5,57) v1(106.5,53) v1(106.7,39.2) v1(107,77.6) v1(107,60) v1(107,37) v1(107,19) v1(107.2,23.8) v1(107.7,80.1) v1(107.9,19.9) v1(108,102) v1(108,98) v1(108,94) v1(108,90) v1(108,62) v1(108,55.5) v1(108,51.5) v1(108,43) v1(108,16) v1(108.1,77.5) v1(108.5,83.9) v1(109,37) v1(109,35) v1(109,26) v1(109,25) v1(109,17) v1(109.4,77.7) v1(109.5,80.2) v1(109.5,64.8) v1(109.6,81.2) v1(110,62) v1(110,46.5) v1(110,25) v1(110,16) v1(110,13) v1(110.5,53.5) v1(111,51) v1(111,37) v1(111,35) v1(111,29) v1(111,24) v1(111,17) v1(111.6,80.6) v1(111.6,39.2) v1(111.7,28.1) v1(112,102) v1(112,98) v1(112,94) v1(112,90) v1(112,86) v1(112,58.5) v1(112,29) v1(112,18) v1(112,16) v1(112,13) v1(112.1,77.7) v1(112.5,62) v1(112.6,65.1) v1(112.8,28.1) v1(113,37) v1(113,21) v1(113,19) v1(113,17) v1(113.5,47.5) v1(113.7,33.2) v1(114,39) v1(114,32) v1(114,26) v1(114,16) v1(114,13) v1(114.1,65.1) v1(114.3,29.4) v1(114.5,60.1) v1(114.5,41.3) v1(114.6,35.4) v1(114.7,31.3) v1(115,49.5) v1(115,25) v1(115.2,29.65) v1(115.5,53.5) v1(115.8,63.2) v1(115.8,31.3) v1(116,102) v1(116,98) v1(116,94) v1(116,90) v1(116,86) v1(116,25) v1(116.5,42) v1(116.85,31.3) v1(116.9,77.1) v1(117,57) v1(117,48) v1(117,39) v1(117,37) v1(117,23) v1(117,21) v1(117,19) v1(117,17) v1(117,15) v1(117.3,61.7) v1(117.44,28.29) v1(117.5,51) v1(117.7,43.5) v1(117.8,31.25) v1(117.9,46.6) v1(117.9,41.3) v1(118,60) v1(118,54) v1(118,38) v1(118,36) v1(118,26) v1(118.3,80.6) v1(119,39) v1(119,37) v1(119.05,33.7) v1(119.25,35.55) v1(119.4,29.2) v1(119.4,28.2) v1(120,102) v1(120,98) v1(120,94) v1(120,90) v1(120,86) v1(120,74) v1(120,54) v1(120,50) v1(120,43.9) v1(120,26) v1(120.1,57.5) v1(120.1,46.4) v1(120.8,33.05) v1(121.45,28) v1(121.4,25.95) v1(121.7,41.3) v1(121.95,29.2) v1(122,77.2) v1(122,72) v1(122,22) v1(122,18) v1(122,14) v1(122.25,30.55) v1(122.8,33.15) v1(122.9,28.25) v1(123.05,79.7) v1(123,39) v1(123,37) v1(123,36) v1(123.65,30.05) v1(124,110) v1(124,106) v1(124,102) v1(124.25,78.5) v1(124.2,25.2) v1(124.75,82.7) v1(125.05,30.1) v1(125.15,85.1) v1(125.1,28) v1(125.35,74.15) v1(125.5,97) v1(125.5,92) v1(125.5,87.15) v1(126.05,77) v1(126,29) v1(126,26) v1(126,23.8) v1(126.6,82.8) v1(127,28) v1(128,110) v1(128,106) v1(128,102) v1(128,66) v1(128,29) v1(128,26) v1(128.65,70.65) v1(129,65) v1(129,28) v1(129.75,86.1) v1(129.8,39.7) v1(130,41) v1(130,22) v1(130,18) v1(130,14) v1(130.25,91.05) v1(130.25,67.45) v1(130.5,94.5) v1(130.7,78.5) v1(130.7,34.9) v1(130.8,38.4) v1(131,59.8) v1(131,42) v1(131,40) v1(131,28) v1(131.15,83.05) v1(131.1,82.05) v1(131.25,33.05) v1(131.3,92.85) v1(131.55,95.5) v1(131.75,35.1) v1(131.85,38.25) v1(132,110) v1(132,106) v1(132,62) v1(132,56) v1(132,54) v1(132,52) v1(132,50) v1(132,48) v1(132,46) v1(132,41) v1(132.05,39.35) v1(132.3,33.2) v1(132.45,98.95) v1(132.5,94.55) v1(132.6,91.15) v1(133,29.6) v1(133,27) v1(133.2,95.6) v1(133.3,81.25) v1(133.45,39.46) v1(133.4,33.35) v1(133.5,75.5) v1(133.46,37.57) v1(133.47,36.05) v1(133.75,91.1) v1(133.95,63.55) v1(134,58) v1(134,54) v1(134,50) v1(134,46) v1(134,44) v1(134,28) v1(134,26) v1(134,23.8) v1(134.1,68.55) v1(134.2,30.3) v1(134.4,81.2) v1(134.55,99.9) v1(134.6,91.55) v1(134.8,78.6) v1(135,29) v1(135.3,42.35) v1(135.8,47.4) v1(135.8,29.75) v1(136,110) v1(136,60) v1(136,34.1) v1(136,28) v1(136,26) v1(136.25,41.45) v1(136.3,56) v1(136.65,34.8) v1(136.9,52.1) v1(137.15,95) v1(137.7,47.9) v1(137.8,96.7) v1(137.9,65.65) v1(138,93.35) v1(138,62) v1(138,58) v1(138,54.4) v1(138,50) v1(138.05,39.7) v1(138,23.8) v1(138,22) v1(138,18) v1(138,14) v1(138.1,41.35) v1(138.3,107.05) v1(138.4,77.05) v1(138.4,75.15) v1(139.05,79.4) v1(139,29) v1(139,27) v1(139.15,88.15) v1(139.2,84.7) v1(139.2,44.2) v1(139.7,38.95) v1(139.9,90.6) v1(139.9,46.6) v1(140,82) v1(140,36) v1(140.1,41.8) v1(140.1,25.7) v1(141,29) v1(141.5,108.15) v1(142,99.55) v1(142,88) v1(142,80) v1(142,72) v1(142,68) v1(142,34) v1(142,32) v1(142.1,25.7) v1(142.25,27.8) v1(142.4,59) v1(142.75,92.2) v1(142.85,49.4) v1(142.85,39.1) v1(142.95,46.85) v1(142.95,44.3) v1(142.9,41.7) v1(143.1,96.9) v1(144.75,103.9) v1(147,101.65) v1(147.5,95.6) v1(147.55,85.85) v1(147.5,74.6) v1(147.55,70.25) v1(147.8,33.4)
